# KiCad board main_panel.kicad_pcb (continued)
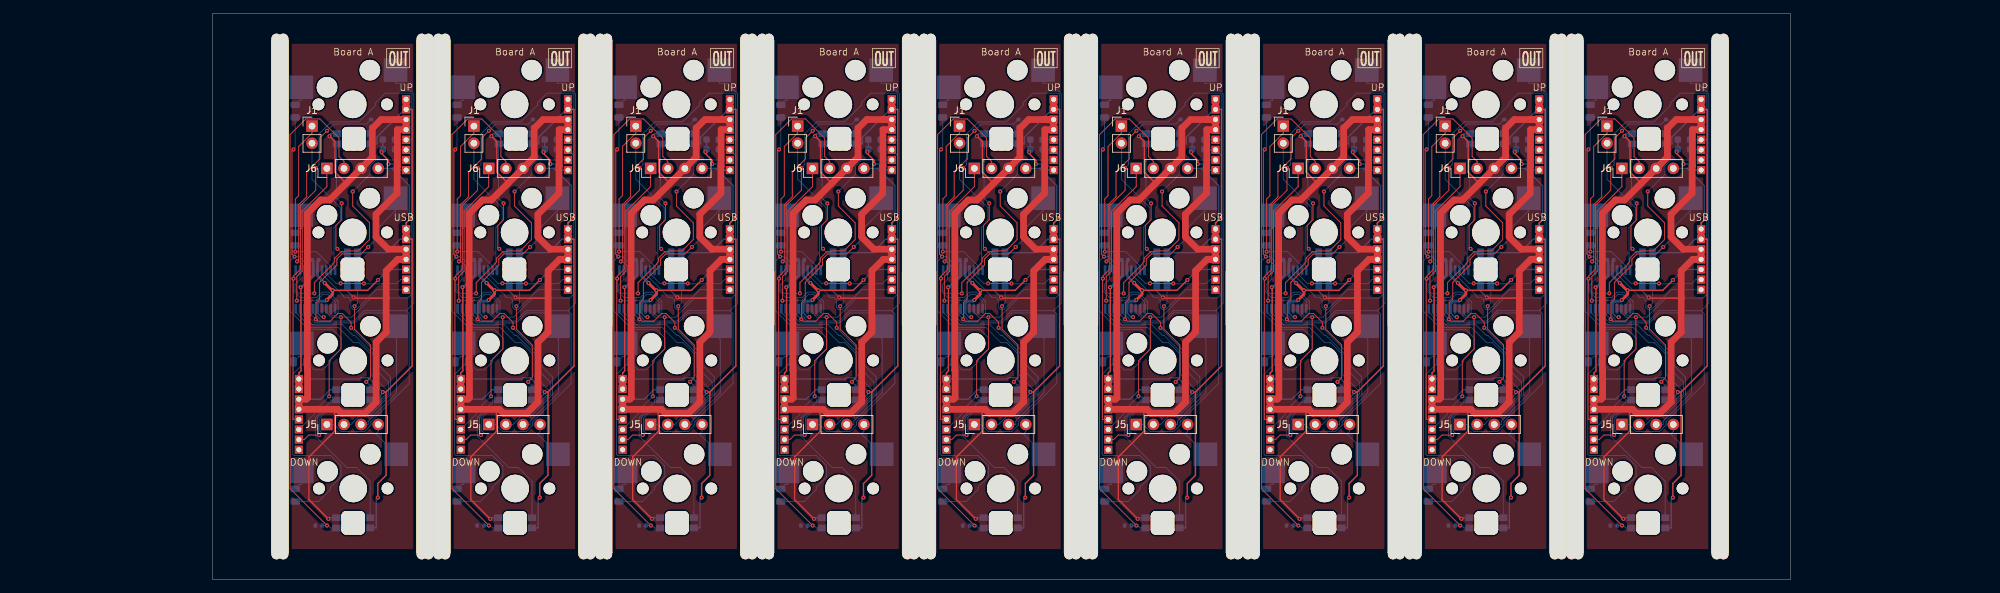
[diagram p0: board, top side]
## Nets (continued)
Net-(D8-A): D8.2 D8#2.2 D8#3.2 D8#4.2 D8#5.2 D8#6.2 D8#7.2 D8#8.2 D8#9.2 SW4.2 SW4#2.2 SW4#3.2 SW4#4.2 SW4#5.2 SW4#6.2 SW4#7.2 SW4#8.2 SW4#9.2

Pads without a net: R2 2; R2#2 2; R2#3 2; R2#4 2; R2#5 2; R2#6 2; R2#7 2; R2#8 2; R2#9 2; U1 4 11; U1#2 4 11; U1#3 4 11; U1#4 4 11; U1#5 4 11; U1#6 4 11; U1#7 4 11; U1#8 4 11; U1#9 4 11

## Via types
v1: diameter 0.6, hole 0.3, Top to Bottom, 324 vias

## Routing (per net, layer and track width the routed paths; a pad name or vN(x,y) marks a point on that pad's centre or on a via; arc(x,y) is an arc through that point)
+3.3V: length 991.7
  Top w0.2: v1(217.09,63.44) 217.09,63.21 218.09,62.21 v1(218.09,61.66) ; v1(161.82,42.92) 167.01,42.92 v1(168.54,44.45) ; v1(48.54,44.45) 47.01,42.92 v1(41.82,42.92) ; v1(74.08,61.66) 74.08,62.21 73.08,63.21 v1(73.08,63.44) ; v1(72.54,44.45) 71.01,42.92 v1(65.82,42.92) ; v1(24.54,44.45) 23.01,42.92 v1(17.82,42.92) ; v1(89.82,42.92) 95.01,42.92 v1(96.54,44.45) ; v1(192.54,44.45) 191.01,42.92 v1(185.82,42.92) ; v1(50.08,61.66) 50.08,62.21 49.08,63.21 v1(49.08,63.44) ; v1(144.54,44.45) 143.01,42.92 v1(137.82,42.92) ; v1(121.09,63.44) 121.09,63.21 122.09,62.21 v1(122.09,61.66) ; v1(120.54,44.45) 119.01,42.92 v1(113.82,42.92) ; v1(146.09,61.66) 146.09,62.21 145.09,63.21 v1(145.09,63.44) ; v1(194.09,61.66) 194.09,62.21 193.09,63.21 v1(193.09,63.44) ; v1(170.09,61.66) 170.09,62.21 169.09,63.21 v1(169.09,63.44) ; v1(209.82,42.92) 215.01,42.92 v1(216.54,44.45) ; v1(97.08,63.44) 97.08,63.21 98.09,62.21 v1(98.09,61.66) ; v1(26.09,61.66) 26.09,62.21 25.09,63.21 v1(25.09,63.44)
  Top w0.4: v1(112.65,44) 113.73,42.92 v1(113.82,42.92) 113.82,42.35 v1(112.96,41.48) ; v1(136.96,41.48) 137.82,42.35 v1(137.82,42.92) 137.73,42.92 v1(136.65,44) ; v1(64.96,41.48) 65.82,42.35 v1(65.82,42.92) 65.73,42.92 v1(64.65,44) ; v1(16.96,41.48) 17.82,42.35 v1(17.82,42.92) 17.73,42.92 v1(16.65,44) ; v1(88.96,41.48) 89.82,42.35 v1(89.82,42.92) 89.73,42.92 v1(88.65,44) ; v1(40.65,44) 41.73,42.92 v1(41.82,42.92) 41.82,42.35 v1(40.96,41.48) ; v1(184.96,41.48) 185.82,42.35 v1(185.82,42.92) 185.73,42.92 v1(184.65,44) ; v1(208.96,41.48) 209.82,42.35 v1(209.82,42.92) 209.73,42.92 v1(208.65,44) ; v1(160.96,41.48) 161.82,42.35 v1(161.82,42.92) 161.73,42.92 v1(160.65,44)
  In1.Cu w1: 73.69,43.81 73.69,48.25 72.25,49.69 72.25,54.29 76.71,58.75 J2#8.8 ; 73.69,43.81 72.8,42.92 v1(65.82,42.92) ; 73.69,43.81 73.69,42.21 ; 73.69,43.81 73.69,42.21 ; 73.69,43.81 75.89,46.01 J4#9.5 ; v1(136.49,38.95) 136.55,38.95 136.96,39.36 v1(136.96,41.48) 137.82,42.35 v1(137.82,42.92) ; v1(16.65,44) 17.73,42.92 v1(17.82,42.92) ; v1(65.82,42.92) 65.82,42.35 v1(64.96,41.48) 64.96,39.36 64.55,38.95 v1(64.49,38.95) ; v1(65.82,42.92) 65.73,42.92 v1(64.65,44) ; 97.69,43.81 97.69,48.25 96.25,49.69 96.25,54.29 100.71,58.75 J2#9.8 ; 97.69,43.81 97.69,42.21 ; 97.69,43.81 97.69,42.21 ; 97.69,43.81 99.89,46.01 J4.5 ; 97.69,43.81 96.8,42.92 v1(89.82,42.92) ; 169.69,42.21 169.69,43.81 ; 169.69,42.21 169.69,36.65 167.94,34.9 167.94,25.83 170.12,23.65 170.12,22.37 169.22,21.47 166.68,21.47 164.47,19.26 J3#5.1 ; 169.69,42.21 169.69,43.81 ; 169.69,43.81 169.69,48.25 168.25,49.69 168.25,54.29 172.71,58.75 J2#6.8 ; 169.69,43.81 171.89,46.01 J4#8.5 ; 169.69,43.81 168.8,42.92 v1(161.82,42.92) ; J3#4.1 116.47,19.26 118.68,21.47 121.22,21.47 122.12,22.37 122.12,23.65 119.94,25.83 119.94,34.9 121.69,36.65 121.69,42.21 ; 217.69,42.21 217.69,36.65 215.94,34.9 215.94,25.83 218.12,23.65 218.12,22.37 217.22,21.47 214.68,21.47 212.47,19.26 J3#8.1 ; 217.69,42.21 217.69,43.81 ; 217.69,42.21 217.69,43.81 ; J4#7.5 27.89,46.01 25.69,43.81 ; v1(161.82,42.92) 161.82,42.35 v1(160.96,41.48) 160.96,39.36 160.55,38.95 v1(160.49,38.95) ; v1(161.82,42.92) 161.73,42.92 v1(160.65,44) ; v1(41.82,42.92) 48.8,42.92 49.69,43.81 ; v1(41.82,42.92) 41.73,42.92 v1(40.65,44) ; v1(41.82,42.92) 41.82,42.35 v1(40.96,41.48) 40.96,39.36 40.55,38.95 v1(40.49,38.95) ; 217.69,43.81 219.89,46.01 J4#4.5 ; 217.69,43.81 217.69,48.25 216.25,49.69 216.25,54.29 220.71,58.75 J2#2.8 ; 217.69,43.81 216.8,42.92 v1(209.82,42.92) ; 49.69,43.81 51.89,46.01 J4#6.5 ; 49.69,43.81 49.69,42.21 ; 49.69,43.81 49.69,48.25 48.25,49.69 48.25,54.29 52.71,58.75 J2#5.8 ; 49.69,43.81 49.69,42.21 ; v1(184.65,44) 185.73,42.92 v1(185.82,42.92) ; v1(209.82,42.92) 209.82,42.35 v1(208.96,41.48) 208.96,39.36 208.55,38.95 v1(208.49,38.95) ; v1(209.82,42.92) 209.73,42.92 v1(208.65,44) ; 49.69,42.21 49.69,36.65 47.94,34.9 47.94,25.83 50.12,23.65 50.12,22.37 49.22,21.47 46.68,21.47 44.47,19.26 J3.1 ; J2#7.8 148.71,58.75 144.25,54.29 144.25,49.69 145.69,48.25 145.69,43.81 ; J4#2.5 123.89,46.01 121.69,43.81 ; 193.69,43.81 192.8,42.92 v1(185.82,42.92) ; 193.69,43.81 193.69,42.21 ; 193.69,43.81 193.69,42.21 ; 193.69,43.81 195.89,46.01 J4#3.5 ; 193.69,43.81 193.69,48.25 192.25,49.69 192.25,54.29 196.71,58.75 J2#3.8 ; 145.69,43.81 144.8,42.92 v1(137.82,42.92) ; 145.69,43.81 145.69,42.21 ; 145.69,43.81 147.89,46.01 J4#5.5 ; 145.69,43.81 145.69,42.21 ; 145.69,42.21 145.69,36.65 143.94,34.9 143.94,25.83 146.12,23.65 146.12,22.37 145.22,21.47 142.68,21.47 140.47,19.26 J3#3.1 ; 121.69,43.81 120.8,42.92 v1(113.82,42.92) ; 121.69,43.81 121.69,42.21 ; 121.69,43.81 121.69,42.21 ; 121.69,43.81 121.69,48.25 120.25,49.69 120.25,54.29 124.71,58.75 J2#4.8 ; 193.69,42.21 193.69,36.65 191.94,34.9 191.94,25.83 194.12,23.65 194.12,22.37 193.22,21.47 190.68,21.47 188.47,19.26 J3#9.1 ; 25.69,43.81 25.69,42.21 ; 25.69,43.81 24.8,42.92 v1(17.82,42.92) ; 25.69,43.81 25.69,48.25 24.25,49.69 24.25,54.29 28.71,58.75 J2.8 ; 25.69,43.81 25.69,42.21 ; v1(136.65,44) 137.73,42.92 v1(137.82,42.92) ; v1(113.82,42.92) 113.82,42.35 v1(112.96,41.48) 112.96,39.36 112.55,38.95 v1(112.49,38.95) ; v1(113.82,42.92) 113.73,42.92 v1(112.65,44) ; J3#2.1 68.47,19.26 70.68,21.47 73.22,21.47 74.12,22.37 74.12,23.65 71.94,25.83 71.94,34.9 73.69,36.65 73.69,42.21 ; 97.69,42.21 97.69,36.65 95.94,34.9 95.94,25.83 98.12,23.65 98.12,22.37 97.22,21.47 94.68,21.47 92.47,19.26 J3#7.1 ; v1(185.82,42.92) 185.82,42.35 v1(184.96,41.48) 184.96,39.36 184.55,38.95 v1(184.49,38.95) ; v1(89.82,42.92) 89.82,42.35 v1(88.96,41.48) 88.96,39.36 88.55,38.95 v1(88.49,38.95) ; v1(89.82,42.92) 89.73,42.92 v1(88.65,44) ; v1(17.82,42.92) 17.82,42.35 v1(16.96,41.48) 16.96,39.36 16.55,38.95 v1(16.49,38.95) ; 25.69,42.21 25.69,36.65 23.94,34.9 23.94,25.83 26.12,23.65 26.12,22.37 25.22,21.47 22.68,21.47 20.47,19.26 J3#6.1
  Bottom w0.2: 207.59,39.53 U1#2.5 207.59,39.53 ; 207.59,39.53 207.59,39.53 ; 207.59,39.53 208.16,38.95 ; 87.58,39.53 87.58,40.18 87.58,39.53 ; 87.58,39.53 87.59,39.53 ; 87.58,39.53 88.16,38.95 ; 159.59,39.53 U1#7.5 159.59,39.53 ; 159.59,39.53 160.16,38.95 ; 159.59,39.53 159.59,39.53 ; 183.59,39.53 183.59,39.53 ; 183.59,39.53 U1#6.5 183.59,39.53 ; 183.59,39.53 184.16,38.95 ; 159.59,47.27 C1#4.1 ; 135.59,47.27 C1#3.1 ; 207.59,47.27 C1.1 ; R3#7.2 R4#2.2 25.09,63.67 v1(25.09,63.44) ; 135.59,39.53 U1#9.5 135.59,39.53 ; 135.59,39.53 135.59,39.53 ; 135.59,39.53 136.16,38.95 ; J2#6.8 171.91,60.76 171.01,61.66 v1(170.09,61.66) ; 40.17,38.95 v1(40.49,38.95) ; 63.58,39.53 63.58,40.18 63.58,39.53 ; 63.58,39.53 64.16,38.95 ; 63.58,39.53 63.59,39.53 ; 15.59,39.53 U1#8.5 15.59,39.53 ; 15.59,39.53 15.59,39.53 ; 15.59,39.53 16.16,38.95 ; J4.5 98.1,46.01 v1(96.54,44.45) ; 63.58,47.27 C1#6.1 ; J4#2.5 122.1,46.01 v1(120.54,44.45) ; v1(145.09,63.44) 145.09,63.67 R4#9.2 R3#6.2 ; 208.17,38.95 v1(208.49,38.95) ; v1(193.09,63.44) 193.09,63.67 R4#4.2 R3#5.2 ; 111.59,39.53 112.16,38.95 ; 111.59,39.53 U1#5.5 111.59,39.53 ; 111.59,39.53 111.59,39.53 ; J2#7.8 147.91,60.76 147.01,61.66 v1(146.09,61.66) ; J4#6.5 50.1,46.01 v1(48.54,44.45) ; J2#2.8 219.91,60.76 219.01,61.66 v1(218.09,61.66) ; 16.17,38.95 v1(16.49,38.95) ; 15.59,47.27 C1#7.1 ; v1(144.54,44.45) 146.1,46.01 J4#5.5 ; v1(194.09,61.66) 195.01,61.66 195.91,60.76 J2#3.8 ; J4#3.5 194.1,46.01 v1(192.54,44.45) ; J2#4.8 123.91,60.76 123.01,61.66 v1(122.09,61.66) ; 183.59,47.27 C1#2.1 ; 160.17,38.95 v1(160.49,38.95) ; J2#9.8 99.91,60.76 99.01,61.66 v1(98.09,61.66) ; v1(26.09,61.66) 27.01,61.66 27.91,60.76 J2.8 ; v1(73.08,63.44) 73.08,63.67 R4#3.2 R3.2 ; 112.17,38.95 v1(112.49,38.95) ; 39.58,47.27 C1#9.1 ; R3#2.2 R4.2 97.08,63.67 v1(97.08,63.44) ; v1(49.08,63.44) 49.08,63.67 R4#5.2 R3#8.2 ; v1(72.54,44.45) 74.1,46.01 J4#9.5 ; 111.59,47.27 C1#8.1 ; v1(24.54,44.45) 26.1,46.01 J4#7.5 ; v1(50.08,61.66) 51.01,61.66 51.91,60.76 J2#5.8 ; v1(216.54,44.45) 218.1,46.01 J4#4.5 ; 39.58,39.53 40.16,38.95 ; 39.58,39.53 39.58,40.18 39.58,39.53 ; 39.58,39.53 39.59,39.53 ; R3#3.2 R4#8.2 217.09,63.67 v1(217.09,63.44) ; 64.17,38.95 v1(64.49,38.95) ; v1(168.54,44.45) 170.1,46.01 J4#8.5 ; 136.17,38.95 v1(136.49,38.95) ; v1(169.09,63.44) 169.09,63.67 R4#7.2 R3#4.2 ; 88.17,38.95 v1(88.49,38.95) ; J2#8.8 75.91,60.76 75.01,61.66 v1(74.08,61.66) ; 184.17,38.95 v1(184.49,38.95) ; v1(121.09,63.44) 121.09,63.67 R4#6.2 R3#9.2 ; 87.58,47.27 C1#5.1
  Bottom w0.35: 136.94,41.58 136.86,41.51 ; 16.94,41.58 16.86,41.51 ; 184.94,41.58 184.86,41.51 ; 112.94,41.58 112.86,41.51 ; 64.94,41.58 64.86,41.51 ; 160.94,41.58 160.86,41.51 ; 88.94,41.58 88.86,41.51 ; 208.94,41.58 208.86,41.51 ; 40.94,41.58 40.86,41.51
  Bottom w0.4: U1#7.5 159.59,40.96 159.93,41.31 160.78,41.31 v1(160.96,41.48) ; 87.58,47.27 87.58,45.07 v1(88.65,44) 88.65,43.93 89.67,42.92 v1(89.82,42.92) ; v1(113.82,42.92) 113.67,42.92 112.65,43.93 v1(112.65,44) 111.59,45.07 U1#5.16 111.59,47.27 ; v1(88.96,41.48) 88.78,41.31 87.93,41.31 87.58,40.96 87.58,40.18 ; v1(161.82,42.92) 161.67,42.92 160.65,43.93 v1(160.65,44) 159.59,45.07 U1#7.16 159.59,47.27 ; v1(184.96,41.48) 184.78,41.31 183.93,41.31 183.59,40.96 U1#6.5 ; 183.59,47.27 U1#6.16 183.59,45.07 v1(184.65,44) 184.65,43.93 185.67,42.92 v1(185.82,42.92) ; 63.58,47.27 63.58,45.07 v1(64.65,44) 64.65,43.93 65.67,42.92 v1(65.82,42.92) ; v1(137.82,42.92) 137.67,42.92 136.65,43.93 v1(136.65,44) 135.59,45.07 U1#9.16 135.59,47.27 ; v1(209.82,42.92) 209.67,42.92 208.65,43.93 v1(208.65,44) 207.59,45.07 U1#2.16 207.59,47.27 ; U1#2.5 207.59,40.96 207.93,41.31 208.78,41.31 v1(208.96,41.48) ; v1(112.96,41.48) 112.78,41.31 111.93,41.31 111.59,40.96 U1#5.5 ; 63.58,40.18 63.58,40.96 63.93,41.31 64.78,41.31 v1(64.96,41.48) ; v1(40.96,41.48) 40.78,41.31 39.93,41.31 39.58,40.96 39.58,40.18 ; U1#9.5 135.59,40.96 135.93,41.31 136.78,41.31 v1(136.96,41.48) ; 15.59,47.27 U1#8.16 15.59,45.07 v1(16.65,44) 16.65,43.93 17.67,42.92 v1(17.82,42.92) ; 39.58,47.27 39.58,45.07 v1(40.65,44) 40.65,43.93 41.67,42.92 v1(41.82,42.92) ; U1#8.5 15.59,40.96 15.93,41.31 16.78,41.31 v1(16.96,41.48)
+5V: length 1499.9
  Top w0.2: J4#8.3 172.71,48.12 172.69,48.12 172.09,47.51 ; 145.76,41.76 141.04,41.76 v1(140.92,41.87) ; J4#6.3 52.71,48.12 52.69,48.12 52.08,47.51 ; v1(113.17,9) 110.3,11.87 110.3,18.19 114.1,21.99 114.1,24.81 114.55,25.25 ; 138.55,25.25 138.1,24.81 138.1,21.99 134.3,18.19 134.3,11.87 v1(137.17,9) ; J4.3 100.71,48.12 100.69,48.12 100.09,47.51 ; v1(188.92,41.87) 189.04,41.76 193.76,41.76 ; 217.76,41.76 213.04,41.76 v1(212.92,41.87) ; 18.55,25.25 18.1,24.81 18.1,21.99 14.3,18.19 14.3,11.87 v1(17.17,9) ; v1(116.92,41.87) 117.04,41.76 121.76,41.76 ; v1(164.92,41.87) 165.04,41.76 169.76,41.76 ; v1(44.92,41.87) 45.04,41.76 49.76,41.76 ; v1(65.17,9) 62.3,11.87 62.3,18.19 66.1,21.99 66.1,24.81 66.55,25.25 ; v1(89.17,9) 86.3,11.87 86.3,18.19 90.1,21.99 90.1,24.81 90.55,25.25 ; 91.83,58.8 90.16,60.46 90.16,64.98 v1(89.34,65.8) ; J4#5.3 148.71,48.12 148.69,48.12 148.09,47.51 ; 163.83,58.8 162.16,60.46 162.16,64.98 v1(161.34,65.8) ; 115.83,58.8 114.16,60.46 114.16,64.98 v1(113.34,65.8) ; v1(20.92,41.87) 21.04,41.76 25.76,41.76 ; J4#7.3 28.71,48.12 28.69,48.12 28.09,47.51 ; v1(185.17,9) 182.3,11.87 182.3,18.19 186.1,21.99 186.1,24.81 186.55,25.25 ; v1(161.17,9) 158.3,11.87 158.3,18.19 162.1,21.99 162.1,24.81 162.55,25.25 ; J4#3.3 196.71,48.12 196.69,48.12 196.09,47.51 ; 67.83,58.8 66.16,60.46 66.16,64.98 v1(65.34,65.8) ; v1(185.34,65.8) 186.16,64.98 186.16,60.46 187.83,58.8 ; J4#9.3 76.71,48.12 76.69,48.12 76.08,47.51 ; 43.83,58.8 42.16,60.46 42.16,64.98 v1(41.34,65.8) ; 97.76,41.76 93.04,41.76 v1(92.92,41.87) ; 211.83,58.8 210.16,60.46 210.16,64.98 v1(209.34,65.8) ; 139.83,58.8 138.16,60.46 138.16,64.98 v1(137.34,65.8) ; J4#2.3 124.71,48.12 124.69,48.12 124.09,47.51 ; 73.76,41.76 69.04,41.76 v1(68.92,41.87) ; 220.09,47.51 220.69,48.12 220.71,48.12 J4#4.3 ; 210.55,25.25 210.1,24.81 210.1,21.99 206.3,18.19 206.3,11.87 v1(209.17,9) ; 42.55,25.25 42.1,24.81 42.1,21.99 38.3,18.19 38.3,11.87 v1(41.17,9) ; 19.83,58.8 18.16,60.46 18.16,64.98 v1(17.34,65.8)
  Top w1: J2#5.3 49.01,68.26 47.71,66.96 47.71,62.68 J6.3 41.36,56.33 40.04,56.33 38.06,54.34 38.06,31.09 38.1,31.05 38.1,26.97 37.89,26.76 J3.6 J3.5 42.54,25.26 43.14,24.66 46.59,24.66 48.26,26.33 48.26,35.22 49.76,36.72 49.76,45.81 51.46,47.51 J4#6.4 J4#6.3 50.08,49.01 48.25,50.84 48.25,54.2 51.38,57.33 51.38,61.33 51.41,61.37 51.41,66.76 J2#5.4 J2#5.3 ; J2#5.3 51.31,68.26 ; J2.3 J2.4 27.41,66.76 27.41,61.37 27.38,61.33 27.38,57.33 24.25,54.2 24.25,50.84 26.08,49.01 J4#7.3 J4#7.4 27.46,47.51 25.76,45.81 25.76,36.72 24.26,35.22 24.26,26.33 22.59,24.66 19.14,24.66 18.54,25.26 J3#6.5 J3#6.6 13.89,26.76 14.1,26.97 14.1,31.05 14.06,31.09 14.06,54.34 16.04,56.33 17.35,56.33 J6#4.3 23.71,62.68 23.71,66.96 25.01,68.26 J2.3 ; J2.3 27.31,68.26 ; J2#2.3 J2#2.4 219.41,66.76 219.41,61.37 219.38,61.33 219.38,57.33 216.25,54.2 216.25,50.84 218.08,49.01 J4#4.3 J4#4.4 219.46,47.51 217.76,45.81 217.76,36.72 216.26,35.22 216.26,26.33 214.59,24.66 211.14,24.66 210.54,25.26 J3#8.5 J3#8.6 205.89,26.76 206.1,26.97 206.1,31.05 206.06,31.09 206.06,54.34 208.04,56.33 209.35,56.33 J6#6.3 215.71,62.68 215.71,66.96 217.01,68.26 J2#2.3 ; J2#2.3 219.31,68.26 ; J2#9.3 99.31,68.26 ; J2#9.3 97.01,68.26 95.71,66.96 95.71,62.68 J6#3.3 89.36,56.33 88.04,56.33 86.06,54.34 86.06,31.09 86.1,31.05 86.1,26.97 85.89,26.76 J3#7.6 J3#7.5 90.54,25.26 91.14,24.66 94.59,24.66 96.26,26.33 96.26,35.22 97.76,36.72 97.76,45.81 99.46,47.51 J4.4 J4.3 98.08,49.01 96.25,50.84 96.25,54.2 99.38,57.33 99.38,61.33 99.41,61.37 99.41,66.76 J2#9.4 J2#9.3 ; J2#8.3 75.31,68.26 ; J2#8.3 73.01,68.26 71.71,66.96 71.71,62.68 J6#8.3 65.36,56.33 64.04,56.33 62.06,54.34 62.06,31.09 62.1,31.05 62.1,26.97 61.89,26.76 J3#2.6 J3#2.5 66.54,25.26 67.14,24.66 70.59,24.66 72.26,26.33 72.26,35.22 73.76,36.72 73.76,45.81 75.46,47.51 J4#9.4 J4#9.3 74.08,49.01 72.25,50.84 72.25,54.2 75.38,57.33 75.38,61.33 75.41,61.37 75.41,66.76 J2#8.4 J2#8.3 ; J2#3.3 195.31,68.26 ; J2#3.3 J2#3.4 195.41,66.76 195.41,61.37 195.38,61.33 195.38,57.33 192.25,54.2 192.25,50.84 194.08,49.01 J4#3.3 J4#3.4 195.46,47.51 193.76,45.81 193.76,36.72 192.26,35.22 192.26,26.33 190.59,24.66 187.14,24.66 186.54,25.26 J3#9.5 J3#9.6 181.89,26.76 182.1,26.97 182.1,31.05 182.06,31.09 182.06,54.34 184.04,56.33 185.35,56.33 J6#9.3 191.71,62.68 191.71,66.96 193.01,68.26 J2#3.3 ; J2#7.3 145.01,68.26 143.71,66.96 143.71,62.68 J6#2.3 137.35,56.33 136.04,56.33 134.06,54.34 134.06,31.09 134.1,31.05 134.1,26.97 133.89,26.76 J3#3.6 J3#3.5 138.54,25.26 139.14,24.66 142.59,24.66 144.26,26.33 144.26,35.22 145.76,36.72 145.76,45.81 147.46,47.51 J4#5.4 J4#5.3 146.08,49.01 144.25,50.84 144.25,54.2 147.38,57.33 147.38,61.33 147.41,61.37 147.41,66.76 J2#7.4 J2#7.3 ; J2#7.3 147.31,68.26 ; J2#4.3 123.31,68.26 ; J2#4.3 121.01,68.26 119.71,66.96 119.71,62.68 J6#5.3 113.35,56.33 112.04,56.33 110.06,54.34 110.06,31.09 110.1,31.05 110.1,26.97 109.89,26.76 J3#4.6 J3#4.5 114.54,25.26 115.14,24.66 118.59,24.66 120.26,26.33 120.26,35.22 121.76,36.72 121.76,45.81 123.46,47.51 J4#2.4 J4#2.3 122.08,49.01 120.25,50.84 120.25,54.2 123.38,57.33 123.38,61.33 123.41,61.37 123.41,66.76 J2#4.4 J2#4.3 ; J2#6.3 J2#6.4 171.41,66.76 171.41,61.37 171.38,61.33 171.38,57.33 168.25,54.2 168.25,50.84 170.08,49.01 J4#8.3 J4#8.4 171.46,47.51 169.76,45.81 169.76,36.72 168.26,35.22 168.26,26.33 166.59,24.66 163.14,24.66 162.54,25.26 J3#5.5 J3#5.6 157.89,26.76 158.1,26.97 158.1,31.05 158.06,31.09 158.06,54.34 160.04,56.33 161.35,56.33 J6#7.3 167.71,62.68 167.71,66.96 169.01,68.26 J2#6.3 ; J2#6.3 171.31,68.26
  Bottom w0.2: J3.6 40.03,26.76 41.44,28.17 D3#5.1 ; J3#4.6 112.03,26.76 113.44,28.17 D3#9.1 ; D1#9.1 17.54,66.17 17.54,66 v1(17.34,65.8) ; v1(188.92,41.87) 188,42.79 D2#8.1 ; D4#4.1 113.45,9.17 113.28,9 v1(113.17,9) ; v1(65.17,9) 65.28,9 65.45,9.17 D4#3.1 ; v1(161.17,9) 161.28,9 161.45,9.17 D4#8.1 ; D3#6.1 17.44,28.17 16.03,26.76 J3#6.6 ; v1(89.17,9) 89.28,9 89.45,9.17 D4.1 ; D2#6.1 164,42.79 v1(164.92,41.87) ; D1#6.1 41.54,66.17 41.54,66 v1(41.34,65.8) ; v1(68.92,41.87) 68,42.79 D2#9.1 ; J3#9.6 184.03,26.76 185.44,28.17 D3.1 ; J3#2.6 64.03,26.76 65.44,28.17 D3#2.1 ; D4#2.1 209.45,9.17 209.28,9 v1(209.17,9) ; v1(17.17,9) 17.28,9 17.45,9.17 D4#6.1 ; D2#4.1 44,42.79 v1(44.92,41.87) ; D1#8.1 209.54,66.17 209.54,66 v1(209.34,65.8) ; v1(41.17,9) 41.28,9 41.45,9.17 D4#7.1 ; v1(89.34,65.8) 89.54,66 89.54,66.17 D1#3.1 ; v1(185.34,65.8) 185.54,66 185.54,66.17 D1.1 ; v1(92.92,41.87) 92,42.79 D2#3.1 ; D3#8.1 209.44,28.17 208.03,26.76 J3#8.6 ; v1(116.92,41.87) 116,42.79 D2#7.1 ; D1#5.1 137.54,66.17 137.54,66 v1(137.34,65.8) ; D3#7.1 137.44,28.17 136.03,26.76 J3#3.6 ; v1(137.17,9) 137.28,9 137.45,9.17 D4#5.1 ; D1#2.1 65.54,66.17 65.54,66 v1(65.34,65.8) ; v1(212.92,41.87) 212,42.79 D2.1 ; v1(185.17,9) 185.28,9 185.45,9.17 D4#9.1 ; D2#2.1 20,42.79 v1(20.92,41.87) ; J3#5.6 160.03,26.76 161.44,28.17 D3#3.1 ; D1#4.1 161.54,66.17 161.54,66 v1(161.34,65.8) ; D2#5.1 140,42.79 v1(140.92,41.87) ; D1#7.1 113.54,66.17 113.54,66 v1(113.34,65.8) ; D3#4.1 89.44,28.17 88.03,26.76 J3#7.6
  Bottom w1: J4.3 J4.4 ; J3#9.6 J3#9.5 ; J4#3.3 J4#3.4 ; J4#8.3 J4#8.4 ; J3#5.6 J3#5.5 ; J2#3.3 J2#3.4 ; J2#6.3 J2#6.4 ; J2.3 J2.4 ; J3#3.6 J3#3.5 ; J4#4.3 J4#4.4 ; J4#2.3 J4#2.4 ; J2#4.3 J2#4.4 ; J4#9.3 J4#9.4 ; J3#6.6 J3#6.5 ; J3#4.6 J3#4.5 ; J3#2.6 J3#2.5 ; J2#7.3 J2#7.4 ; J3.6 J3.5 ; J4#6.3 J4#6.4 ; J2#5.3 J2#5.4 ; J4#7.3 J4#7.4 ; J2#2.3 J2#2.4 ; J2#8.3 J2#8.4 ; J3#8.6 J3#8.5 ; J4#5.3 J4#5.4 ; J3#7.6 J3#7.5 ; J2#9.3 J2#9.4
GND: length 1258.2
  Top w0.2: 121.74,27.82 v1(121.26,27.82) ; 121.74,27.82 121.74,15.47 120.52,14.25 v1(120.52,12.17) ; 121.74,27.82 125.6,31.68 125.6,50.51 J4#2.2 ; J4#9.1 76.71,52.9 77.6,53.79 77.6,69.76 J2#8.2 ; 193.74,27.82 197.6,31.68 197.6,50.51 J4#3.2 ; 193.74,27.82 193.74,15.47 192.52,14.25 v1(192.52,12.17) ; 193.74,27.82 v1(193.26,27.82) ; v1(133.07,43.38) 133.12,43.33 133.12,30.96 132.81,30.65 J3#3.8 ; 97.74,27.82 97.74,15.47 96.52,14.25 v1(96.52,12.17) ; 97.74,27.82 101.6,31.68 101.6,50.51 J4.2 ; 97.74,27.82 v1(97.26,27.82) ; 217.74,27.82 v1(217.26,27.82) ; 217.74,27.82 217.74,15.47 216.52,14.25 v1(216.52,12.17) ; 217.74,27.82 221.6,31.68 221.6,50.51 J4#4.2 ; v1(205.07,43.38) 205.12,43.33 205.12,30.96 204.81,30.65 J3#8.8 ; 169.74,27.82 169.74,15.47 168.52,14.25 v1(168.52,12.17) ; 169.74,27.82 v1(169.26,27.82) ; 169.74,27.82 173.6,31.68 173.6,50.51 J4#8.2 ; J4#7.2 29.6,50.51 29.6,31.68 25.74,27.82 ; J4#6.2 53.6,50.51 53.6,31.68 49.74,27.82 ; J3#2.8 60.81,30.65 61.12,30.96 61.12,43.33 v1(61.07,43.38) ; J4#9.2 77.6,50.51 77.6,31.68 73.74,27.82 ; 73.74,27.82 v1(73.26,27.82) ; 73.74,27.82 73.74,15.47 72.52,14.25 v1(72.52,12.17) ; 25.74,27.82 25.74,15.47 24.52,14.25 v1(24.52,12.17) ; 25.74,27.82 v1(25.26,27.82) ; v1(144.52,12.17) 144.52,14.25 145.74,15.47 145.74,27.82 ; 49.74,27.82 v1(49.26,27.82) ; 49.74,27.82 49.74,15.47 48.52,14.25 v1(48.52,12.17) ; J2#3.2 197.6,69.76 197.6,53.79 196.71,52.9 J4#3.1 ; J2#7.2 149.6,69.76 149.6,53.79 148.71,52.9 J4#5.1 ; v1(109.07,43.38) 109.12,43.33 109.12,30.96 108.81,30.65 J3#4.8 ; J2#9.2 101.6,69.76 101.6,53.79 100.71,52.9 J4.1 ; J3#5.8 156.81,30.65 157.12,30.96 157.12,43.33 v1(157.07,43.38) ; J2#5.2 53.6,69.76 53.6,53.79 52.71,52.9 J4#6.1 ; J3#9.8 180.81,30.65 181.12,30.96 181.12,43.33 v1(181.07,43.38) ; J4#7.1 28.71,52.9 29.6,53.79 29.6,69.76 J2.2 ; J3#6.8 12.81,30.65 13.12,30.96 13.12,43.33 v1(13.07,43.38) ; J2#2.2 221.6,69.76 221.6,53.79 220.71,52.9 J4#4.1 ; J2#6.2 173.6,69.76 173.6,53.79 172.71,52.9 J4#8.1 ; J3.8 36.81,30.65 37.12,30.96 37.12,43.33 v1(37.07,43.38) ; J3#7.8 84.81,30.65 85.12,30.96 85.12,43.33 v1(85.07,43.38) ; 145.74,27.82 v1(145.26,27.82) ; 145.74,27.82 149.6,31.68 149.6,50.51 J4#5.2 ; J4#2.1 124.71,52.9 125.6,53.79 125.6,69.76 J2#4.2
  Top w1: J2#2.1 J2#2.2 ; J4#5.1 J4#5.2 ; J2#8.1 J2#8.2 ; J4#2.1 J4#2.2 ; J2#4.1 J2#4.2 ; J3#5.8 J3#5.7 ; J4#3.1 J4#3.2 ; J4#9.1 J4#9.2 ; J2.1 J2.2 ; J3#2.8 J3#2.7 ; J2#5.1 J2#5.2 ; J3#9.8 J3#9.7 ; J4#8.1 J4#8.2 ; J3#6.8 J3#6.7 ; J4.1 J4.2 ; J2#9.1 J2#9.2 ; J3.8 J3.7 ; J3#3.8 J3#3.7 ; J4#4.1 J4#4.2 ; J4#6.1 J4#6.2 ; J2#7.1 J2#7.2 ; J4#7.1 J4#7.2 ; J2#6.1 J2#6.2 ; J2#3.1 J2#3.2 ; J3#7.8 J3#7.7 ; J3#4.8 J3#4.7 ; J3#8.8 J3#8.7
  Bottom w0.2: J4#5.2 147.82,50.51 145.82,48.51 D2#5.3 ; D4#2.3 216.28,7.66 216.28,11.92 v1(216.52,12.17) ; D2#3.3 97.82,48.51 99.82,50.51 J4.2 ; v1(168.52,12.17) 168.28,11.92 168.28,7.66 D4#8.3 ; D4#9.3 192.28,7.66 192.28,11.92 v1(192.52,12.17) ; J4#4.2 219.82,50.51 217.82,48.51 D2.3 ; J6#2.4 146.64,61.01 149.19,58.46 149.19,53.38 148.71,52.9 J4#5.1 ; J6#8.4 74.64,61.01 77.19,58.46 77.19,53.38 76.71,52.9 J4#9.1 ; J2#4.1 124.71,70.37 124.63,70.29 124.63,69.84 J2#4.2 124.48,69.76 120.38,65.65 120.38,64.66 D1#7.3 ; D4#3.3 72.28,7.66 72.28,11.92 v1(72.52,12.17) ; J6.4 50.64,61.01 53.19,58.46 53.19,53.38 52.71,52.9 J4#6.1 ; J4#4.1 220.71,52.9 221.19,53.38 221.19,58.46 218.64,61.01 J6#6.4 ; D3#9.3 120.28,26.66 121.26,27.64 v1(121.26,27.82) 119.14,29.94 117.96,29.94 117.78,29.76 J3#4.8 ; J4#8.2 171.82,50.51 169.82,48.51 D2#6.3 ; J4#7.1 28.71,52.9 29.19,53.38 29.19,58.46 26.64,61.01 J6#4.4 ; D4#7.3 48.28,7.66 48.28,11.92 v1(48.52,12.17) ; 182.94,47.27 C1#2.2 ; J6#5.4 122.64,61.01 125.19,58.46 125.19,53.38 124.71,52.9 J4#2.1 ; 134.94,47.27 C1#3.2 ; D4.3 96.28,7.66 96.28,11.92 v1(96.52,12.17) ; 110.94,47.27 C1#8.2 ; J3#6.8 21.78,29.76 21.96,29.94 23.14,29.94 v1(25.26,27.82) 25.26,27.64 24.28,26.66 D3#6.3 ; D1#6.3 48.38,64.66 48.38,65.65 52.48,69.76 J2#5.2 52.63,69.84 52.63,70.29 52.71,70.37 J2#5.1 ; v1(120.52,12.17) 120.28,11.92 120.28,7.66 D4#4.3 ; J4#7.2 27.82,50.51 25.82,48.51 D2#2.3 ; D1#9.3 24.38,64.66 24.38,65.65 28.48,69.76 J2.2 28.63,69.84 28.63,70.29 28.71,70.37 J2.1 ; J2#7.1 148.71,70.37 148.63,70.29 148.63,69.84 J2#7.2 148.48,69.76 144.38,65.65 144.38,64.66 D1#5.3 ; D2#9.3 73.82,48.51 75.82,50.51 J4#9.2 ; J4#8.1 172.71,52.9 173.19,53.38 173.19,58.46 170.64,61.01 J6#7.4 ; J3#2.8 69.78,29.76 69.96,29.94 71.14,29.94 v1(73.26,27.82) 73.26,27.64 72.28,26.66 D3#2.3 ; 86.94,47.27 C1#5.2 ; J2#3.1 196.71,70.37 196.63,70.29 196.63,69.84 J2#3.2 196.48,69.76 192.38,65.65 192.38,64.66 D1.3 ; v1(24.52,12.17) 24.28,11.92 24.28,7.66 D4#6.3 ; D3#7.3 144.28,26.66 145.26,27.64 v1(145.26,27.82) 143.14,29.94 141.96,29.94 141.78,29.76 J3#3.8 ; J6#9.4 194.64,61.01 197.19,58.46 197.19,53.38 196.71,52.9 J4#3.1 ; D2#4.3 49.82,48.51 51.82,50.51 J4#6.2 ; J2#9.1 100.71,70.37 100.63,70.29 100.63,69.84 J2#9.2 100.48,69.76 96.38,65.65 96.38,64.66 D1#3.3 ; D3.3 192.28,26.66 193.26,27.64 v1(193.26,27.82) 191.14,29.94 189.96,29.94 189.78,29.76 J3#9.8 ; D3#4.3 96.28,26.66 97.26,27.64 v1(97.26,27.82) 95.14,29.94 93.96,29.94 93.78,29.76 J3#7.8 ; D4#5.3 144.28,7.66 144.28,11.92 v1(144.52,12.17) ; J4#3.2 195.82,50.51 193.82,48.51 D2#8.3 ; 158.94,47.27 C1#4.2 ; D1#2.3 72.38,64.66 72.38,65.65 76.48,69.76 J2#8.2 76.63,69.84 76.63,70.29 76.71,70.37 J2#8.1 ; D2#7.3 121.82,48.51 123.82,50.51 J4#2.2 ; 38.94,47.27 C1#9.2 ; J2#6.1 172.71,70.37 172.63,70.29 172.63,69.84 J2#6.2 172.48,69.76 168.38,65.65 168.38,64.66 D1#4.3 ; 62.94,47.27 C1#6.2 ; D3#8.3 216.28,26.66 217.26,27.64 v1(217.26,27.82) 215.14,29.94 213.96,29.94 213.78,29.76 J3#8.8 ; D3#3.3 168.28,26.66 169.26,27.64 v1(169.26,27.82) 167.14,29.94 165.96,29.94 165.78,29.76 J3#5.8 ; D1#8.3 216.38,64.66 216.38,65.65 220.48,69.76 J2#2.2 220.63,69.84 220.63,70.29 220.71,70.37 J2#2.1 ; J4.1 100.71,52.9 101.19,53.38 101.19,58.46 98.64,61.01 J6#3.4 ; 14.94,47.27 C1#7.2 ; D3#5.3 48.28,26.66 49.26,27.64 v1(49.26,27.82) 47.14,29.94 45.96,29.94 45.78,29.76 J3.8 ; 206.94,47.27 C1.2
  Bottom w0.4: v1(157.07,43.38) 157.19,43.38 158.94,45.12 U1#7.15 158.94,47.27 ; 110.94,47.27 U1#5.15 110.94,45.12 109.19,43.38 v1(109.07,43.38) ; v1(61.07,43.38) 61.19,43.38 62.94,45.12 U1#4.15 62.94,47.27 ; v1(37.07,43.38) 37.19,43.38 38.94,45.12 U1.15 38.94,47.27 ; v1(205.07,43.38) 205.19,43.38 206.94,45.12 U1#2.15 206.94,47.27 ; 86.94,47.27 U1#3.15 86.94,45.12 85.19,43.38 v1(85.07,43.38) ; v1(13.07,43.38) 13.19,43.38 14.94,45.12 14.94,47.27 ; v1(133.07,43.38) 133.19,43.38 134.94,45.12 U1#9.15 134.94,47.27 ; v1(181.07,43.38) 181.19,43.38 182.94,45.12 U1#6.15 182.94,47.27
  Bottom w1: J4.1 J4.2 ; J4#5.1 J4#5.2 ; J2#9.1 J2#9.2 ; J3#5.8 J3#5.7 ; J3#7.8 J3#7.7 ; J4#3.1 J4#3.2 ; J2#7.1 J2#7.2 ; J3.8 J3.7 ; J4#4.1 J4#4.2 ; J2#3.1 J2#3.2 ; J2#4.1 J2#4.2 ; J2.1 J2.2 ; J4#6.1 J4#6.2 ; J3#4.8 J3#4.7 ; J3#6.8 J3#6.7 ; J3#9.8 J3#9.7 ; J4#8.1 J4#8.2 ; J4#9.1 J4#9.2 ; J2#8.1 J2#8.2 ; J4#2.1 J4#2.2 ; J4#7.1 J4#7.2 ; J2#2.1 J2#2.2 ; J3#8.8 J3#8.7 ; J3#3.8 J3#3.7 ; J2#6.1 J2#6.2 ; J3#2.8 J3#2.7 ; J2#5.1 J2#5.2
/COM1: length 767.9
  Top w0.13: v1(180.17,47.92) 179.79,48.3 179.79,63.61 v1(180.01,63.83) ; v1(84.17,47.92) 83.79,48.3 83.79,63.61 v1(84.01,63.83) ; v1(12.17,47.92) 11.79,48.3 11.79,63.61 v1(12.01,63.83) ; v1(36.17,47.92) 35.79,48.3 35.79,63.61 v1(36.01,63.83) ; v1(132.17,47.92) 131.79,48.3 131.79,63.61 v1(132.01,63.83) ; v1(108.17,47.92) 107.79,48.3 107.79,63.61 v1(108.01,63.83) ; v1(204.01,63.83) 203.79,63.61 203.79,48.3 v1(204.17,47.92) ; v1(156.01,63.83) 155.79,63.61 155.79,48.3 v1(156.17,47.92) ; v1(60.17,47.92) 59.79,48.3 59.79,63.61 v1(60.01,63.83)
  Bottom w0.13: v1(204.17,47.92) 203.79,48.3 203.79,49.11 D6#3.1 ; v1(204.17,47.92) 203.47,47.21 203.47,39.89 206.22,37.13 209.78,37.13 211.1,35.81 211.1,34.3 209.51,32.71 209.51,32.3 208.32,31.12 207.09,31.12 D7#5.1 205.77,32.31 203.9,30.44 203.9,18.59 204.09,18.4 209.52,18.4 211.06,16.86 211.06,15.26 209.51,13.71 209.51,13.35 207.73,11.57 D8.1 ; v1(204.17,47.92) 204.83,47.92 206.28,46.46 U1#2.14 ; D8#2.1 111.73,11.57 113.51,13.35 113.51,13.71 115.06,15.26 115.06,16.86 113.52,18.4 108.09,18.4 107.9,18.59 107.9,30.44 109.77,32.31 D7#8.1 111.09,31.12 112.32,31.12 113.51,32.3 113.51,32.71 115.1,34.3 115.1,35.81 113.78,37.13 110.22,37.13 107.47,39.89 107.47,47.21 v1(108.17,47.92) ; v1(132.01,63.83) 132.26,64.08 D5#7.1 ; v1(156.17,47.92) 155.79,48.3 155.79,49.11 D6.1 ; v1(156.17,47.92) 156.83,47.92 158.28,46.46 U1#7.14 ; v1(156.17,47.92) 155.47,47.21 155.47,39.89 158.22,37.13 161.78,37.13 163.1,35.81 163.1,34.3 161.51,32.71 161.51,32.3 160.32,31.12 159.09,31.12 D7#6.1 157.77,32.31 155.9,30.44 155.9,18.59 156.09,18.4 161.52,18.4 163.06,16.86 163.06,15.26 161.51,13.71 161.51,13.35 159.73,11.57 D8#9.1 ; D6#7.1 35.79,49.11 35.79,48.3 v1(36.17,47.92) ; v1(60.17,47.92) 59.79,48.3 59.79,49.11 D6#6.1 ; v1(60.17,47.92) 59.47,47.21 59.47,39.89 62.22,37.13 65.78,37.13 67.1,35.81 67.1,34.3 65.51,32.71 65.51,32.3 64.33,31.12 63.09,31.12 D7#4.1 61.77,32.31 59.9,30.44 59.9,18.59 60.09,18.4 65.52,18.4 67.06,16.86 67.06,15.26 65.51,13.71 65.51,13.35 63.73,11.57 D8#7.1 ; v1(60.17,47.92) 60.83,47.92 62.28,46.46 62.28,45.91 ; v1(108.17,47.92) 107.79,48.3 107.79,49.11 D6#9.1 ; v1(108.17,47.92) 108.83,47.92 110.28,46.46 U1#5.14 ; v1(84.17,47.92) 83.47,47.21 83.47,39.89 86.22,37.13 89.78,37.13 91.1,35.81 91.1,34.3 89.51,32.71 89.51,32.3 88.33,31.12 87.09,31.12 D7#3.1 85.77,32.31 83.9,30.44 83.9,18.59 84.09,18.4 89.52,18.4 91.06,16.86 91.06,15.26 89.51,13.71 89.51,13.35 87.73,11.57 D8#3.1 ; v1(84.17,47.92) 83.79,48.3 83.79,49.11 D6#8.1 ; v1(84.17,47.92) 84.83,47.92 86.28,46.46 86.28,45.91 ; v1(12.17,47.92) 11.79,48.3 11.79,49.11 D6#4.1 ; v1(12.17,47.92) 11.47,47.21 11.47,39.89 14.22,37.13 17.78,37.13 19.1,35.81 19.1,34.3 17.51,32.71 17.51,32.3 16.33,31.12 15.09,31.12 D7#2.1 13.77,32.31 11.9,30.44 11.9,18.59 12.09,18.4 17.52,18.4 19.06,16.86 19.06,15.26 17.51,13.71 17.51,13.35 15.73,11.57 D8#4.1 ; v1(12.17,47.92) 12.83,47.92 14.28,46.46 U1#8.14 ; D5.1 36.26,64.08 v1(36.01,63.83) ; v1(180.17,47.92) 180.83,47.92 182.28,46.46 U1#6.14 ; v1(180.17,47.92) 179.47,47.21 179.47,39.89 182.22,37.13 185.78,37.13 187.1,35.81 187.1,34.3 185.51,32.71 185.51,32.3 184.32,31.12 183.09,31.12 D7.1 181.77,32.31 179.9,30.44 179.9,18.59 180.09,18.4 185.52,18.4 187.06,16.86 187.06,15.26 185.51,13.71 185.51,13.35 183.73,11.57 D8#5.1 ; v1(180.17,47.92) 179.79,48.3 179.79,49.11 D6#2.1 ; v1(156.01,63.83) 156.26,64.08 D5#2.1 ; D8#8.1 135.73,11.57 137.51,13.35 137.51,13.71 139.06,15.26 139.06,16.86 137.52,18.4 132.09,18.4 131.9,18.59 131.9,30.44 133.77,32.31 D7#7.1 135.09,31.12 136.32,31.12 137.51,32.3 137.51,32.71 139.1,34.3 139.1,35.81 137.78,37.13 134.22,37.13 131.47,39.89 131.47,47.21 v1(132.17,47.92) ; D5#9.1 12.26,64.08 v1(12.01,63.83) ; v1(132.17,47.92) 132.83,47.92 134.28,46.46 U1#9.14 ; v1(132.17,47.92) 131.79,48.3 131.79,49.11 D6#5.1 ; D5#4.1 60.26,64.08 v1(60.01,63.83) ; v1(204.01,63.83) 204.26,64.08 D5#6.1 ; v1(36.17,47.92) 35.47,47.21 35.47,39.89 38.22,37.13 41.78,37.13 43.1,35.81 43.1,34.3 41.51,32.71 41.51,32.3 40.33,31.12 39.09,31.12 D7#9.1 37.77,32.31 35.9,30.44 35.9,18.59 36.09,18.4 41.52,18.4 43.06,16.86 43.06,15.26 41.51,13.71 41.51,13.35 39.73,11.57 D8#6.1 ; v1(36.17,47.92) 36.83,47.92 38.28,46.46 38.28,45.91 ; D5#8.1 84.26,64.08 v1(84.01,63.83) ; D5#5.1 108.26,64.08 v1(108.01,63.83) ; v1(180.01,63.83) 180.26,64.08 D5#3.1
